# Altium PCB BGA_faser.PcbDoc (part 2 of 3)
Units mm, origin at the board's own origin, x right, y up, seen from the top; angles counter-clockwise.
Board outline 67 x 88.8 mm, 6 copper layers (Top Layer, GND1, Layer 3, PWR, GND2, Bottom Layer), stack 0.816 mm thick; 284 components, 326 nets, 1608 pads, 767 vias.
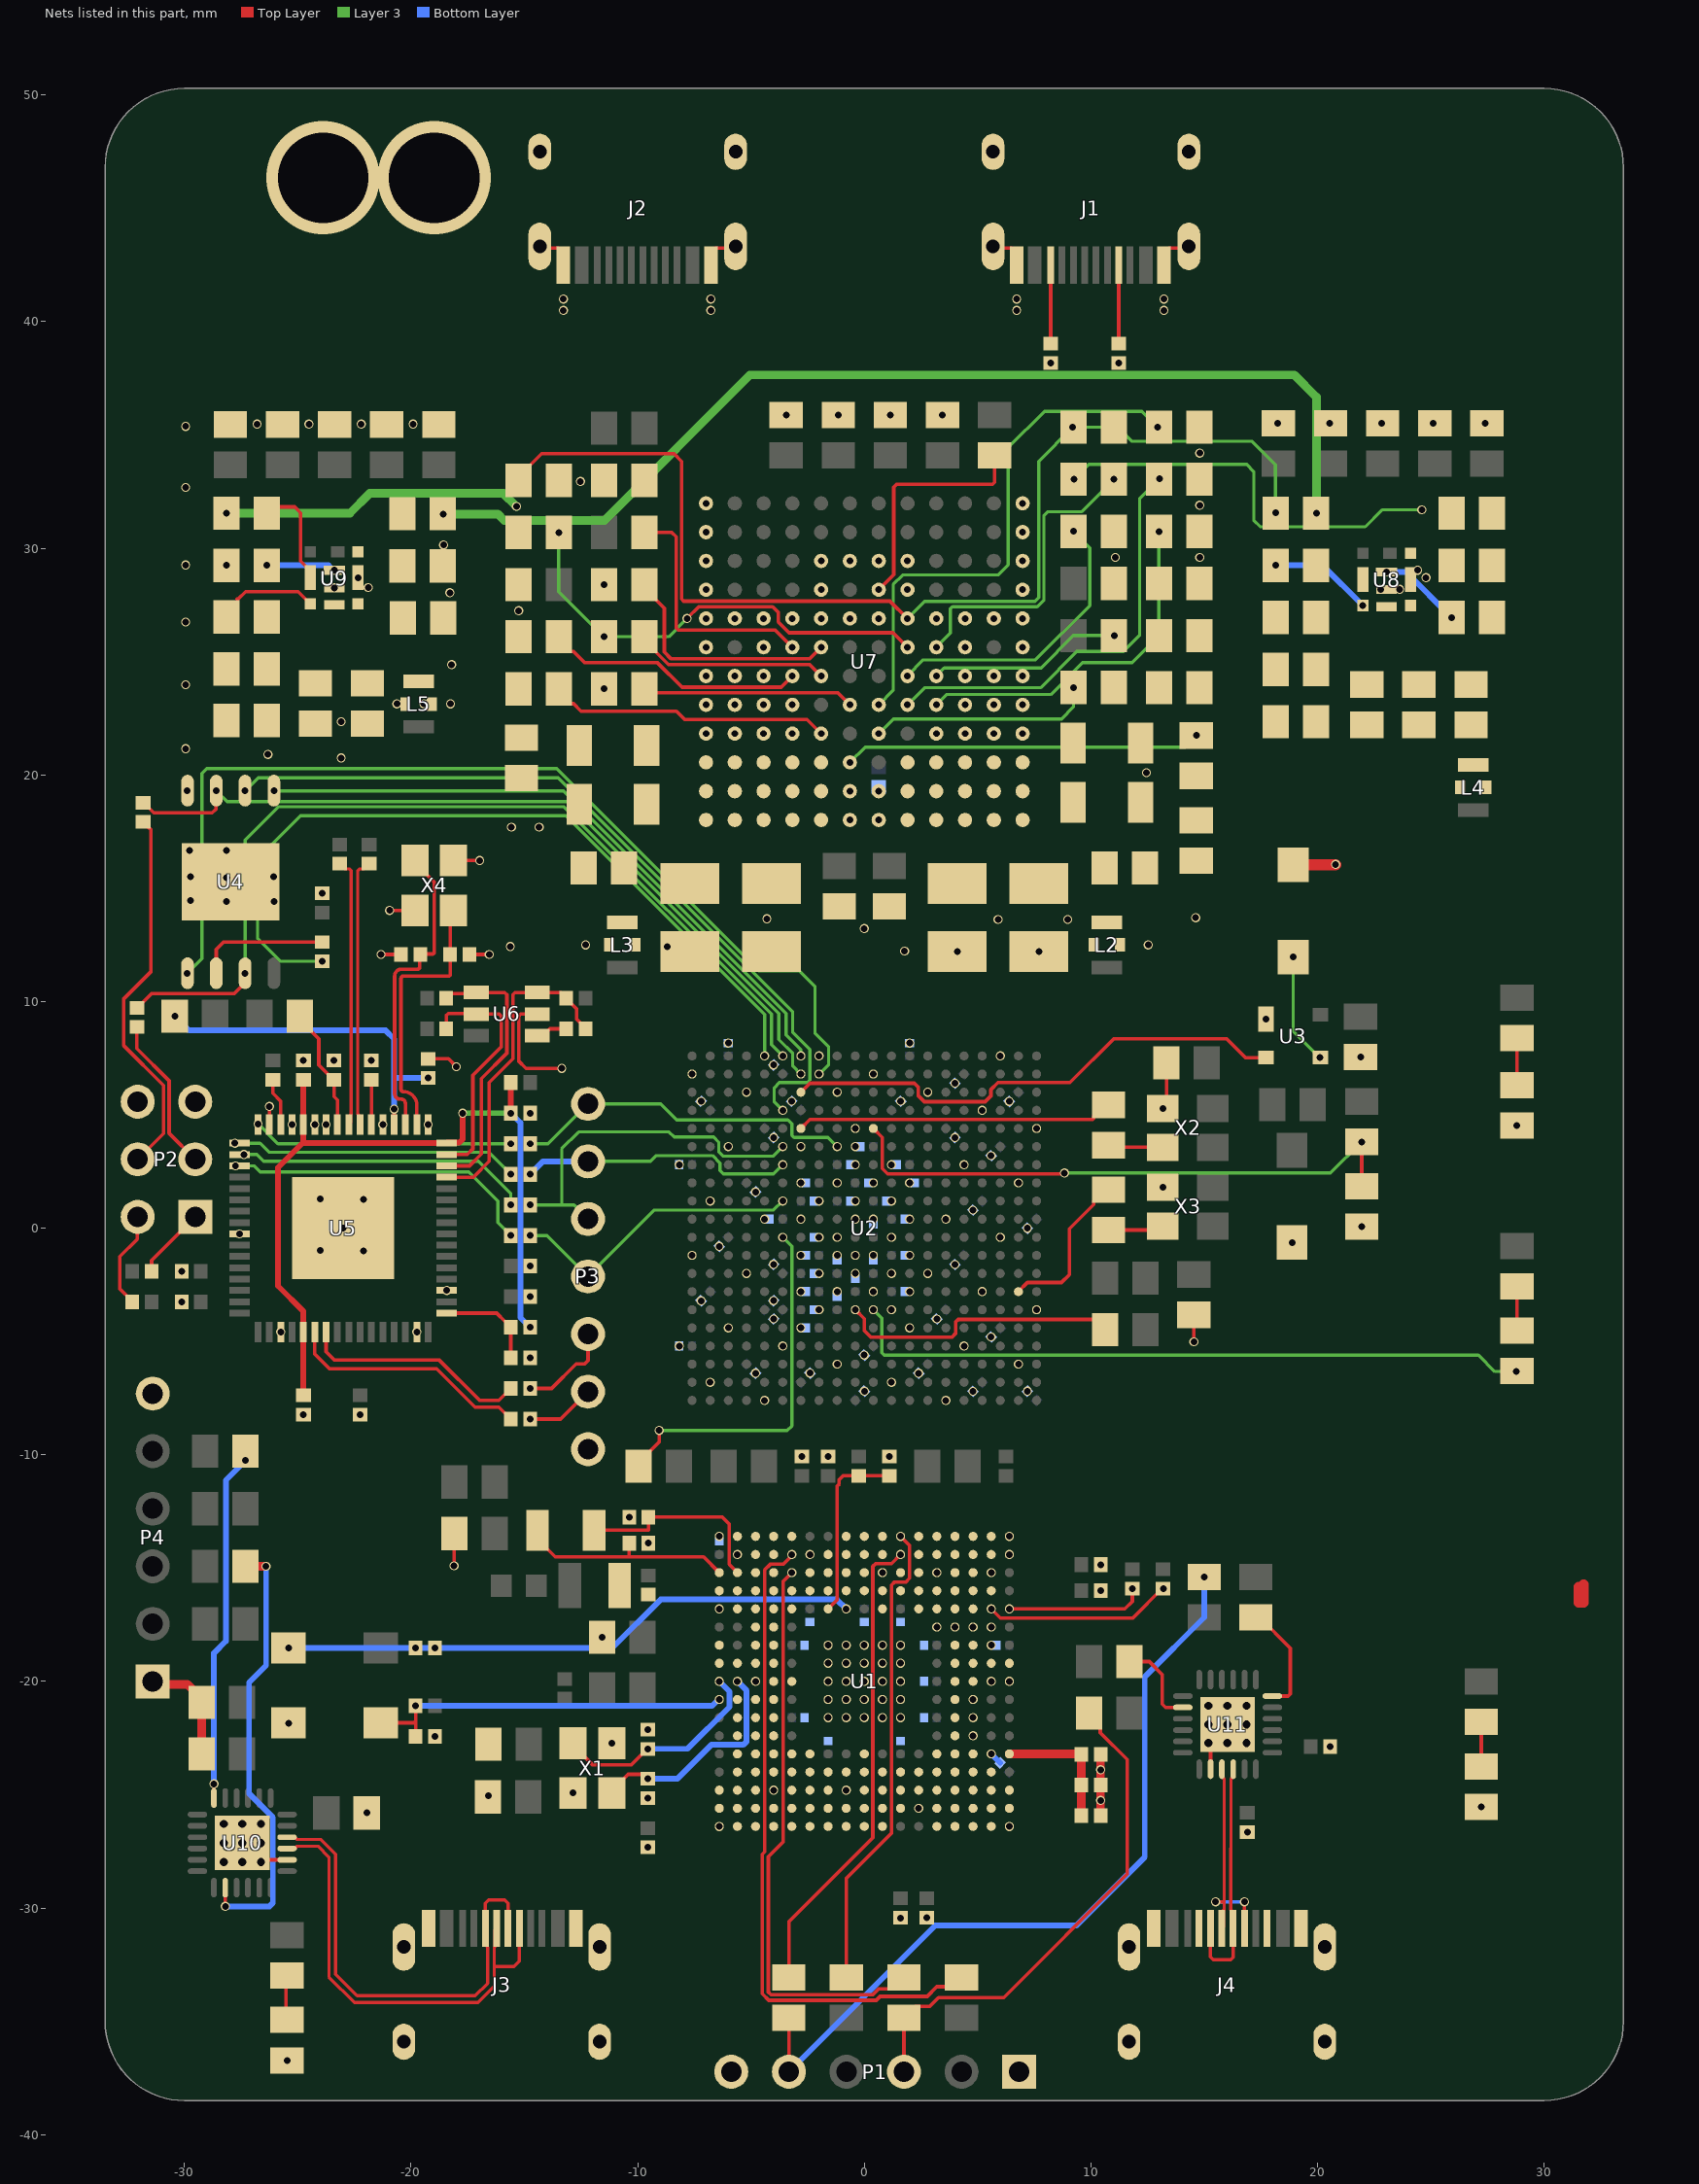
[diagram p6: the nets of this part, all layers, seen from the top]

## Part data
22 C28 C29: library part "0402 1.0uF (105) 10% 25V", "贴片电容", Package=0402, SuppliersPartNumber=C52923, ComponentLink1Description=供应商链接, ComponentLink1URL=http://www.szlcsc.com/product/details_53938.html, Supplier=LC
C1 C2 C3 C4 C5 C6 C7 C8 C9 C10 C11 C12 C13 C14 C21 C22 C23 C24 C30 C31 C32 C33 C34 C35 C36 C37 C38 C39 C40 C41 C42 C43 C44 C45 C46 C47 C48 C49 C50 C51 C52 C53 C54 C55 C56 C57 C58 C59 C60 C61 C62 C63 C64 C65 C66 C67 C68 C69 C70 C71 C72 C73 C74 C75 C76 C77 C78 C79 C80 C81 C82 C83 C84 C85 C86 C87 C88 C137: library part "0402 100nF (104) 10% 16V", "贴片电容", Package=0402, SuppliersPartNumber=C1525, ComponentLink1Description=供应商链接, ComponentLink1URL=http://www.szlcsc.com/product/details_1877.html, Supplier=LC
C15 C16 C17 C18: library part "0402 20pF (200) 5% 50V", "贴片电容", Package=0402, SuppliersPartNumber=C1554, ComponentLink1Description=供应商链接, ComponentLink1URL=http://www.szlcsc.com/product/details_1906.html, Supplier=LC
C19: library part "0402 220pF (221) 10% 50V", "贴片电容", Package=0402, SuppliersPartNumber=C1530, ComponentLink1Description=供应商链接, ComponentLink1URL=http://www.szlcsc.com/product/details_1882.html, Supplier=LC
C20: library part "0603 10uF (106) 10% 10V", "贴片电容", Package=0603, SuppliersPartNumber=C19702, ComponentLink1Description=供应商链接, ComponentLink1URL=http://www.szlcsc.com/product/details_20411.html, Supplier=LC
C25 C26: library part "0402 2.2nF (222) 10% 50V", "贴片电容", Package=0402, SuppliersPartNumber=C1531, ComponentLink1Description=供应商链接, ComponentLink1URL=http://www.szlcsc.com/product/details_1883.html, Supplier=LC
C89 C90 C91 C92 C93 C94 C95 C96 C97 C98 C102 C111: library part "0805 100nF(104) 10% 50V", "贴片电容", Package=0805, SuppliersPartNumber=C49678, ComponentLink1Description=供应商链接, ComponentLink1URL=http://www.szlcsc.com/product/details_50686.html, Supplier=LC
C99 C116: library part "0805 4.7uF (475) 10% 25V", "贴片电容", Package=0805, SuppliersPartNumber=C1779, ComponentLink1Description=供应商链接, ComponentLink1URL=http://www.szlcsc.com/product/details_2131.html, Supplier=LC
C100 C101: library part "0805 12pF (120) 5% 50V", "贴片电容", Package=0805, SuppliersPartNumber=C1792, ComponentLink1Description=供应商链接, ComponentLink1URL=http://www.szlcsc.com/product/details_2144.html, Supplier=LC
C103 C104 C105 C106 C121 C122 C130 C131: library part "0805 22uF (226) 20% 25V", "贴片电容", Package=0805, SuppliersPartNumber=C45783, ComponentLink1Description=供应商链接, ComponentLink1URL=http://www.szlcsc.com/product/details_46786.html, Supplier=LC
C107 C108 C112 C113: library part "1206 100nF (104) 10% 50V", "贴片电容", Package=1206, SuppliersPartNumber=C24497, ComponentLink1Description=供应商链接, ComponentLink1URL=http://www.szlcsc.com/product/details_25237.html, Supplier=LC
C109 C110 C114 C115: library part "3528 100uF (107) 10% 6.3V", "钽电容", Package=3528, SuppliersPartNumber=C16133, ComponentLink1Description=供应商链接, ComponentLink1URL=http://www.szlcsc.com/product/details_16815.html, Supplier=LC
C117 C118 C119 C120 C126 C127 C128 C129: library part "0805 10uF (106) 10% 25V", "贴片电容", Package=0805, SuppliersPartNumber=C15850, ComponentLink1Description=供应商链接, ComponentLink1URL=http://www.szlcsc.com/product/details_16532.html, Supplier=LC
C123 C124 C132 C133: library part "0805 100pF (101) 5% 50V", "贴片电容", Package=0805, SuppliersPartNumber=C1790, ComponentLink1Description=供应商链接, ComponentLink1URL=http://www.szlcsc.com/product/details_2142.html, Supplier=LC
C125 C134: library part "0805 3.3nF (332) 10% 50V", "贴片电容", Package=0805, SuppliersPartNumber=C53175, ComponentLink1Description=供应商链接, ComponentLink1URL=http://www.szlcsc.com/product/details_54191.html, Supplier=LC
C135 C136 C139 C140: library part "0603 1uF (105) 10% 50V", "贴片电容", Package=0603, SuppliersPartNumber=C15849, ComponentLink1Description=供应商链接, ComponentLink1URL=http://www.szlcsc.com/product/details_16531.html, Supplier=LC
D1 D2: library part "0805 翠绿", "发光二极管", Package=0805, SuppliersPartNumber=C2297, ComponentLink1Description=供应商链接, ComponentLink1URL=http://www.szlcsc.com/product/details_2670.html, Supplier=LC
D3 D4: library part "0603 白灯", "发光二极管", Package=0603, SuppliersPartNumber=C2290, ComponentLink1Description=供应商链接, ComponentLink1URL=http://www.szlcsc.com/product/details_2663.html, Supplier=LC
FB1 FB2 FB3 FB4 FB5 FB6 FB7: library part "0805 100Ω 25% 100MHz", "贴片磁珠", Package=0805, SuppliersPartNumber=C1015, ComponentLink1Description=供应商链接, ComponentLink1URL=http://www.szlcsc.com/product/details_1367.html, Supplier=LC
J1 J2: library part "USB type C 16pin", "16针脚C口"
J3 J4: "USB type C 16pin"
L2 L3 L4 L5: "穿心电容", CapacitanceTolerance=±20%, DC Rated Voltage=16V, DC Resistance=20mΩ, JLCPCB Part Class="Extended Part", LCSC Part Name="1.0uF(105) ±20%16V", Manufacturer=muRata(村田), Nominal Capacitance=1uF, Operating Temperature=-40℃~+85℃, Rated Current=4A, Add into BOM=yes, Convert to PCB=yes, Datasheet=https://atta.szlcsc.com/upload/public/pdf/source/20170105/1483610797228.pdf, Device=NFM21PC105B1C3D, Manufacturer Part=NFM21PC105B1C3D, Supplier=LCSC, Supplier Footprint=SMD-3P,1.2x2mm, Supplier Part=C92518, Symbol=NFM21PC105B1C3D
P1 P4: "Header, 6-Pin", LatestRevisionDate=17-Jul-2002, LatestRevisionNote="Re-released for DXP Platform.", Publisher="Altium Limited"
P2: "Header, 3-Pin, Dual row", LatestRevisionDate=17-Jul-2002, LatestRevisionNote="Re-released for DXP Platform.", Publisher="Altium Limited"
P3: "Header, 7-Pin", LatestRevisionDate=17-Jul-2002, LatestRevisionNote="Re-released for DXP Platform.", Publisher="Altium Limited"
R1 R2 R9 R13 R26 R29 R30: library part "0402 10KΩ (1002) 1%", "贴片电阻", Package=0402, SuppliersPartNumber=C25744, ComponentLink1Description=供应商链接, ComponentLink1URL=http://www.szlcsc.com/product/details_26487.html, Supplier=LC
R3 R14 R15 R16 R17 R33 R34: library part "0402 0Ω (0R0) 1%", "贴片电阻", Package=0402, SuppliersPartNumber=C17168, ComponentLink1Description=供应商链接, ComponentLink1URL=http://www.szlcsc.com/product/details_17853.html, Supplier=LC
R4 R5 R8 R10 R11 R12 R20: library part "0402 33Ω (33R0) 1%", "贴片电阻", Package=0402, SuppliersPartNumber=C25105, ComponentLink1Description=供应商链接, ComponentLink1URL=http://www.szlcsc.com/product/details_25848.html, Supplier=LC
R6 R7: library part "0402 5.1KΩ (5101) 1%", "贴片电阻", Package=0402, SuppliersPartNumber=C25905, ComponentLink1Description=供应商链接, ComponentLink1URL=http://www.szlcsc.com/product/details_26648.html, Supplier=LC
R18 R19 R23 R24 R35 R39 R44 R53 R62 R77 R79 R80 R86 R88: library part "0805 10KΩ (1002) 1%", "贴片电阻", Package=0805, SuppliersPartNumber=C17414, ComponentLink1Description=供应商链接, ComponentLink1URL=http://www.szlcsc.com/product/details_18102.html, Supplier=LC
R21 R22: library part "0402 4.7KΩ (4701) 1%", "贴片电阻", Package=0402, SuppliersPartNumber=C25900, ComponentLink1Description=供应商链接, ComponentLink1URL=http://www.szlcsc.com/product/details_26643.html, Supplier=LC
R25 R28 R50 R51 R59 R60 R64 R65 R66 R69 R70 R71 R72 R73 R74 R75 R76 R85 R87 R91 R94 R95 R96 R97 R98 R99 R100 R101: library part "0805 0Ω (0R0) 1%", "贴片电阻", Package=0805, SuppliersPartNumber=C17477, ComponentLink1Description=供应商链接, ComponentLink1URL=http://www.szlcsc.com/product/details_18165.html, Supplier=LC
R27 R82: library part "0805 1.2KΩ (1201) 1%", "贴片电阻", Package=0805, SuppliersPartNumber=C17379, ComponentLink1Description=供应商链接, ComponentLink1URL=http://www.szlcsc.com/product/details_18067.html, Supplier=LC
R31 R32: library part "0402 20KΩ (2002) 1%", "贴片电阻", Package=0402, SuppliersPartNumber=C25765, ComponentLink1Description=供应商链接, ComponentLink1URL=http://www.szlcsc.com/product/details_26508.html, Supplier=LC
R36 R37 R38 R40 R41 R42 R48 R49: library part "0805 33Ω (33R0) 1%", "贴片电阻", Package=0805, SuppliersPartNumber=C17634, ComponentLink1Description=供应商链接, ComponentLink1URL=http://www.szlcsc.com/product/details_18322.html, Supplier=LC
R43: library part "0805 12KΩ (1202) 1%", "贴片电阻", Package=0805, SuppliersPartNumber=C17444, ComponentLink1Description=供应商链接, ComponentLink1URL=http://www.szlcsc.com/product/details_18132.html, Supplier=LC
R45 R47 R90: library part "0805 1KΩ (1001) 1%", "贴片电阻", Package=0805, SuppliersPartNumber=C17513, ComponentLink1Description=供应商链接, ComponentLink1URL=http://www.szlcsc.com/product/details_18201.html, Supplier=LC
R46 R89: library part "0805 2.2KΩ (2201) 1%", "贴片电阻", Package=0805, SuppliersPartNumber=C17520, ComponentLink1Description=供应商链接, ComponentLink1URL=http://www.szlcsc.com/product/details_18208.html, Supplier=LC
R52 R57 R61 R68: library part "0805 33KΩ (3302) 1%", "贴片电阻", Package=0805, SuppliersPartNumber=C17633, ComponentLink1Description=供应商链接, ComponentLink1URL=http://www.szlcsc.com/product/details_18321.html, Supplier=LC
R54 R55: library part "0805 3KΩ (3001) 1%", "贴片电阻", Package=0805, SuppliersPartNumber=C17661, ComponentLink1Description=供应商链接, ComponentLink1URL=http://www.szlcsc.com/product/details_18349.html, Supplier=LC
R56: library part "0805 51KΩ (5102) 1%", "贴片电阻", Package=0805, SuppliersPartNumber=C17737, ComponentLink1Description=供应商链接, ComponentLink1URL=http://www.szlcsc.com/product/details_18425.html, Supplier=LC
R58: library part "0805 3.9KΩ (3901) 1%", "贴片电阻", Package=0805, SuppliersPartNumber=C17614, ComponentLink1Description=供应商链接, ComponentLink1URL=http://www.szlcsc.com/product/details_18302.html, Supplier=LC
R63: library part "0805 100KΩ (1003) 1%", "贴片电阻", Package=0805, SuppliersPartNumber=C17407, ComponentLink1Description=供应商链接, ComponentLink1URL=http://www.szlcsc.com/product/details_18095.html, Supplier=LC
R67: library part "0805 200Ω (2000) 1%", "贴片电阻", Package=0805, SuppliersPartNumber=C17540, ComponentLink1Description=供应商链接, ComponentLink1URL=http://www.szlcsc.com/product/details_18228.html, Supplier=LC
R78: library part "0402 120KΩ (1203) 1%", "贴片电阻", Package=0402, SuppliersPartNumber=C25750, ComponentLink1Description=供应商链接, ComponentLink1URL=http://www.szlcsc.com/product/details_26493.html, Supplier=LC
R81: library part "0402 1KΩ (1001) 1%", "贴片电阻", Package=0402, SuppliersPartNumber=C11702, ComponentLink1Description=供应商链接, ComponentLink1URL=http://www.szlcsc.com/product/details_12256.html, Supplier=LC
R83: library part "0805 220Ω (2200) 1%", "贴片电阻", Package=0805, SuppliersPartNumber=C17557, ComponentLink1Description=供应商链接, ComponentLink1URL=http://www.szlcsc.com/product/details_18245.html, Supplier=LC
R84: library part "0805 5.1Ω (5R10) 1%", "贴片电阻", Package=0805, SuppliersPartNumber=C17724, ComponentLink1Description=供应商链接, ComponentLink1URL=http://www.szlcsc.com/product/details_18412.html, Supplier=LC
R102 R103: library part "0402 330Ω (3300) 1%", "贴片电阻", Package=0402, SuppliersPartNumber=C25104, ComponentLink1Description=供应商链接, ComponentLink1URL=http://www.szlcsc.com/product/details_25847.html, Supplier=LC
S1 S2 S3 S4: "Switch", LatestRevisionDate=17-Jul-2002, LatestRevisionNote="Re-released for DXP Platform.", PackageDescription="Switch; 2 Leads", PackageReference=SPST-2, Published=24-Mar-1999, Publisher="Altium Limited"
U1: "双核MCU", JLCPCB Part Class="Extended Part", LCSC Part Name="带DSP和DP-FPU的高性能ARM Cortex-M7 + Cortex-M4 MCU，具有2 MB Flash、1 MB RAM、480 MHz CPU、ART加速器、一级缓存、外部存储器接口、大量外设、SMPS和MIPI-DSI", Manufacturer=ST(意法半导体), Add into BOM=yes, Convert to PCB=yes, Datasheet=https://atta.szlcsc.com/upload/public/pdf/source/20230906/B22899485390F262A37AA3B845B2D1AE.pdf, Device=STM32H747XIH6, Manufacturer Part=STM32H747XIH6, Supplier=LCSC, Supplier Footprint=TFBGA-265(14x14), Supplier Part=C5271089, Symbol=STM32H747XIH6
U2: JLCPCB Part Class=扩展库, LCSC Part Name=-, Manufacturer=XILINX(赛灵思), Add into BOM=yes, Convert to PCB=yes, Datasheet=https://atta.szlcsc.com/upload/public/pdf/source/20191108/C446028_7ED8319F1F88212BA1E5D387DA4ECDB9.pdf, Device=XC7Z020-2CLG400I, Manufacturer Part=XC7Z020-2CLG400I, Supplier=LCSC, Supplier Footprint=CSPBGA-400, Supplier Part=C569043, Symbol=XC7Z020-2CLG400I
U3: "复位电平管理芯片", JLCPCB Part Class="Extended Part", Manufacturer=VP(中芯集成), Number of Voltages Monitored=1, Operating Temperature=-40℃~+125℃@(Tj), Add into BOM=yes, ChipType=电源监控器, Convert to PCB=yes, Datasheet=https://atta.szlcsc.com/upload/public/pdf/source/20190322/C381486_AD49D5EAA1071F589CB38927003B9E48.pdf, Device=VP811REUS/T, LCSC Part Name=VP811REUS/T, Manual Reset=有, Manufacturer Part=VP811REUS/T, Output Type=开漏, Reset Active Level=低电平有效, Supplier=LCSC, Supplier Footprint=SOT-143, Supplier Part=C381485, Symbol=VP811REUS/T, Watchdog=无
U4: library part W25Q64, "NOR FLASH"
U5: JLCPCB Part Class="Extended Part", LCSC Part Name="FT2232H 双高速 USB 转多用途 UART/FIFO IC", Manufacturer=FTDI(飞特帝亚), Operating Temperature=-40℃~+85℃, Supply Voltage=3V~3.6V, Add into BOM=yes, Applications Function=USB转UART；USB转FIFO, Convert to PCB=yes, Datasheet=https://atta.szlcsc.com/upload/public/pdf/source/20180530/C193662_F14B45A4B5271BE746E436B0F2E041EE.pdf, Device=FT2232HQ-REEL, Manufacturer Part=FT2232HQ-REEL, Protocol=-, Supplier=LCSC, Supplier Footprint=QFN-64-EP(9x9), Supplier Part=C193662, Symbol=FT2232HQ-REEL
U6: JLCPCB Part Class="Extended Part", Manufacturer=MICROCHIP(美国微芯), Operating Temperature=-40℃~+85℃, Supply Voltage=2.5V~5.5V, Add into BOM=yes, Convert to PCB=yes, Data Retention - TDR (Year)=200年, Datasheet=https://atta.szlcsc.com/upload/public/pdf/source/20140724/1457707164359.pdf, Device=93LC56BT-I/OT, Interface Type=SPI, LCSC Part Name=93LC56BT-I/OT, Manufacturer Part=93LC56BT-I/OT, Memory Size=2Kbit, Supplier=LCSC, Supplier Footprint=SOT-23-6, Supplier Part=C190271, Symbol=93LC56BT-I/OT, Write Cycle Endurance=1000000次, Write Cycle Time (Tw)=6ms
U7: "ADI电源", Input Voltage(DC)=4.5V~16V, Insulated Voltage=-, JLCPCB Part Class="Extended Part", LCSC Part Name="双通道 13A 或单通道 26A DC/DC uModule 稳压器", Manufacturer=ADI(亚德诺), Output Current (Max)=13A, Output Voltage=0.6V~5.3V, Add into BOM=yes, Conversion Efficiency=-, Conversion Type=DC-DC, Convert to PCB=yes, Datasheet=https://atta.szlcsc.com/upload/public/pdf/source/20191223/C471410_9980ECA8DA2BC0F921CA49592D580556.pdf, Device=LTM4620AIY#PBF, Feature=过压保护；欠压保护；过流保护, Manufacturer Part=LTM4620AIY#PBF, Maximum Capacitive Load=-, Output Channel=2, Output Power=-, Supplier=LCSC, Supplier Footprint=BGA-144(15x15), Supplier Part=C108015, Symbol=LTM4620AIY#PBF
U8 U9: "华为电源模块", Input Voltage(DC)=6.3V~14V, JLCPCB Part Class="Extended Part", Manufacturer=HUAWEI(华为), Maximum Capacitive Load=500uF, Output Current (Max)=3A, Output Power=15W, Output Voltage=0.8V~5.2V, Add into BOM=yes, Conversion Type=DC-DC, Convert to PCB=yes, Datasheet=https://atta.szlcsc.com/upload/public/pdf/source/20230428/342BA0ED97D448F86BA8DB326342F56D.pdf, Device=NAE12S03-B, LCSC Part Name=NAE12S03-B, Manufacturer Part=NAE12S03-B, Output Channel=1, Supplier=LCSC, Supplier Footprint=-, Supplier Part=C5632472, Symbol=NAE12S03-B
U10 U11: "USB to dual enhanced TTL Serial / 2*UART"
X1 X4: library part 四脚无源晶体, "4脚贴片无源晶体", Equivalent Series Resistance(ESR)=250Ω, Frequency Stability=±15ppm, JLCPCB Part Class="Extended Part", LCSC Part Name="8MHz ±10ppm 10pF", Load Capacitance=10pF, Manufacturer=YJX(雅晶鑫), Manufacturer Part=TAXM8M4RDBCCT2T, Normal temperature Frequency Tolerance=±10ppm, Operating Temperature=-40℃~+85℃, Add into BOM=yes, Convert to PCB=yes, Datasheet=https://atta.szlcsc.com/upload/public/pdf/source/20190626/C400090_CF95B89E745AFE4EF2E392EF8AC009D6.pdf, Device=TAXM8M4RDBCCT2T, Supplier=LCSC, Supplier Footprint=SMD3225-4P, Supplier Part=C400090, Symbol=TAXM8M4RDBCCT2T, Type=贴片晶振
X2 X3: "有源晶振"
Y1: library part "SMD-3215_2P 32.768KHz 20ppm 12.5pF", "贴片晶振", Package=SMD-3215_2P, SuppliersPartNumber=C32346, ComponentLink1Description=供应商链接, ComponentLink1URL=http://www.szlcsc.com/product/details_33310.html, Supplier=LC
L1: Code_IEC=1005, Code_JEITA=0402, LatestRevisionDate=29-May-2009, LatestRevisionNote="IPC-7351 Footprint Added.", PackageDescription="Chip Inductor", PackageReference=0402-A, Published=8-Jun-2000, Publisher="Altium Limited"

## Via types
v1: diameter 0.4, hole 0.3, Top Layer to Bottom Layer, 753 vias
v2: diameter 0.508, hole 0.356, Top Layer to Bottom Layer, tented both sides, 8 vias
v3: diameter 6, hole 3, Top Layer to Bottom Layer, 4 vias
v4: diameter 5, hole 4, Top Layer to Bottom Layer, 2 vias

## Nets (pads, with @x,y where several pads share a name; then routed paths per layer and width w, separated by ;. In a path a pad name is that pad's centre, name@x,y a point inside that pad or via, vN(x,y) a via of type N, cw(c..) or ccw(c..) an arc to the next point about the centre after c; other vN are vias at no path point)
1V0: C107.2 C108.2 C109.1 C110.1 R50.1 U7.A8 U7.A9 U7.A10 U7.A11 U7.A12 U7.B8 U7.B9 U7.B10 U7.B11 U7.B12 U7.C8 U7.C9 U7.C10 U7.C11 U7.C12
1V8: C112.2 C113.2 C114.1 C115.1 R59.1 U7.A1 U7.A2 U7.A3 U7.A4 U7.A5 U7.B1 U7.B2 U7.B3 U7.B4 U7.B5 U7.C1 U7.C2 U7.C3 U7.C4 U7.C5
BOOT0: R2.2 S2.1 U1.E8 | length 25.7
  Bottom Layer w0.254: v1(-25.41,-18.525) v1(-19.8,-18.525) -11.125,-18.525 -8.984,-16.384 -1.216,-16.384 v1(-0.8,-16.8)
C4CC1: J4.4
C4CC2: J4.10
CC1: J1.4 R6.1 | length 3.5
  Top Layer w0.156: R6.1@11.225,39.025 J1.4@11.225,42.5
CC2: J1.10 R7.1 | length 3.5
  Top Layer w0.156: R7.1@8.225,39.025 J1.10@8.225,42.5
CLKOUT: R64.2 U7.G5 | length 10.2
  Top Layer w0.156: R64.2@-9.75,28.3 -9.75,28.145 R64.2@-9.71,28.145 ; R64.2@-9.409,27.944 -8.825,27.36 -8.825,25.425 -8.52,25.12 -2.42,25.12 v1(-1.905,25.635)
COMP1: R61.2 U7.E6 | length 9.4
  Top Layer w0.156: R61.2@-9.71,23.8 -9.535,23.625 -1.165,23.625 v1(-0.635,23.095) U7.E6@-0.635,23.135
COMP2: R52.2 U7.E7 | length 23.7
  Layer 3 w0.142: v1(0.635,23.095) 1.275,23.735 1.275,28.4 1.7,28.825 5.9,28.825 6.35,29.275 6.35,34.45 7.95,36.05 12.25,36.05 v1(12.95,35.35)
D_n: R41.2 U5.7 | length 11.9
  Top Layer w0.142: -22.353,5.442 -22.353,10.684 -22.354,15.773 -22.27,15.856 -22.08,15.856 R41.2@-21.851,16.085 ; -22.353,5.442 -22.353,5.037 -22.329,5.013 -22.329,4.654 U5.7@-22.25,4.575
D_p: R42.2 U5.8 | length 11.9
  Top Layer w0.142: R42.2@-23.151,16.085 -22.922,15.856 -22.731,15.856 -22.648,15.773 -22.648,10.563 -22.648,5.564 ; U5.8@-22.75,4.575 -22.671,4.654 -22.671,5.013 -22.647,5.037 -22.647,5.563
DD_n: J4.5 J4.7 U11.4 | length 10.7
  Top Layer w0.142: J4.5@15.275,-30.9 15.275,-32.15 15.402,-32.277 16.173,-32.277 16.275,-32.175 J4.7@16.275,-30.9 16.196,-30.821 16.196,-30.092 16.172,-30.068 16.172,-27.364 16.178,-27.359 16.178,-24.312 16.28,-24.21 U11.4@16.28,-23.874
DD_p: J4.6 J4.8 U11.3 | length 10
  Top Layer w0.142: v1(15.5,-29.725) 15.878,-29.725 ; J4.6@15.775,-30.9 15.854,-30.821 15.854,-30.092 15.878,-30.068 15.878,-29.725 ; U11.3@15.78,-23.874 15.78,-24.21 15.883,-24.312 15.883,-27.237 15.878,-27.242 15.878,-29.725 ; J4.8@16.775,-30.9 v1(16.775,-29.725) v1@16.775,-29.65
  Bottom Layer w0.142: v1(15.5,-29.725) v1(16.775,-29.725)
DDD_n: J3.5 J3.7 U10.4 | length 20.9
  Top Layer w0.142: U10.4@-25.474,-26.875 -25.138,-26.875 -25.035,-26.978 -23.981,-26.978 -23.331,-27.628 -23.331,-32.925 -22.381,-33.875 -17.175,-33.875 -16.622,-33.322 -16.622,-31.732 -16.646,-31.708 -16.646,-30.979 J3.5@-16.725,-30.9 -16.725,-29.8 -16.575,-29.65 -15.875,-29.65 -15.725,-29.8 J3.7@-15.725,-30.9
DDD_p: J3.6 J3.8 U10.3 | length 20.7
  Top Layer w0.142: U10.3@-25.474,-27.375 -25.138,-27.375 -25.035,-27.272 -24.103,-27.272 -23.625,-27.75 -23.625,-33.047 -22.503,-34.169 -17.053,-34.169 -16.328,-33.444 -16.328,-32.588 ; J3.6@-16.225,-30.9 -16.304,-30.979 -16.304,-31.708 -16.328,-31.732 -16.328,-32.588 ; J3.8@-15.225,-30.9 -15.225,-32.35 -15.463,-32.588 -16.328,-32.588